# KiCad board Wrap030-ITX.kicad_pcb
title: Wrap030-ATX Mainboard; date: 2023-03-26; rev: 1; company: techav
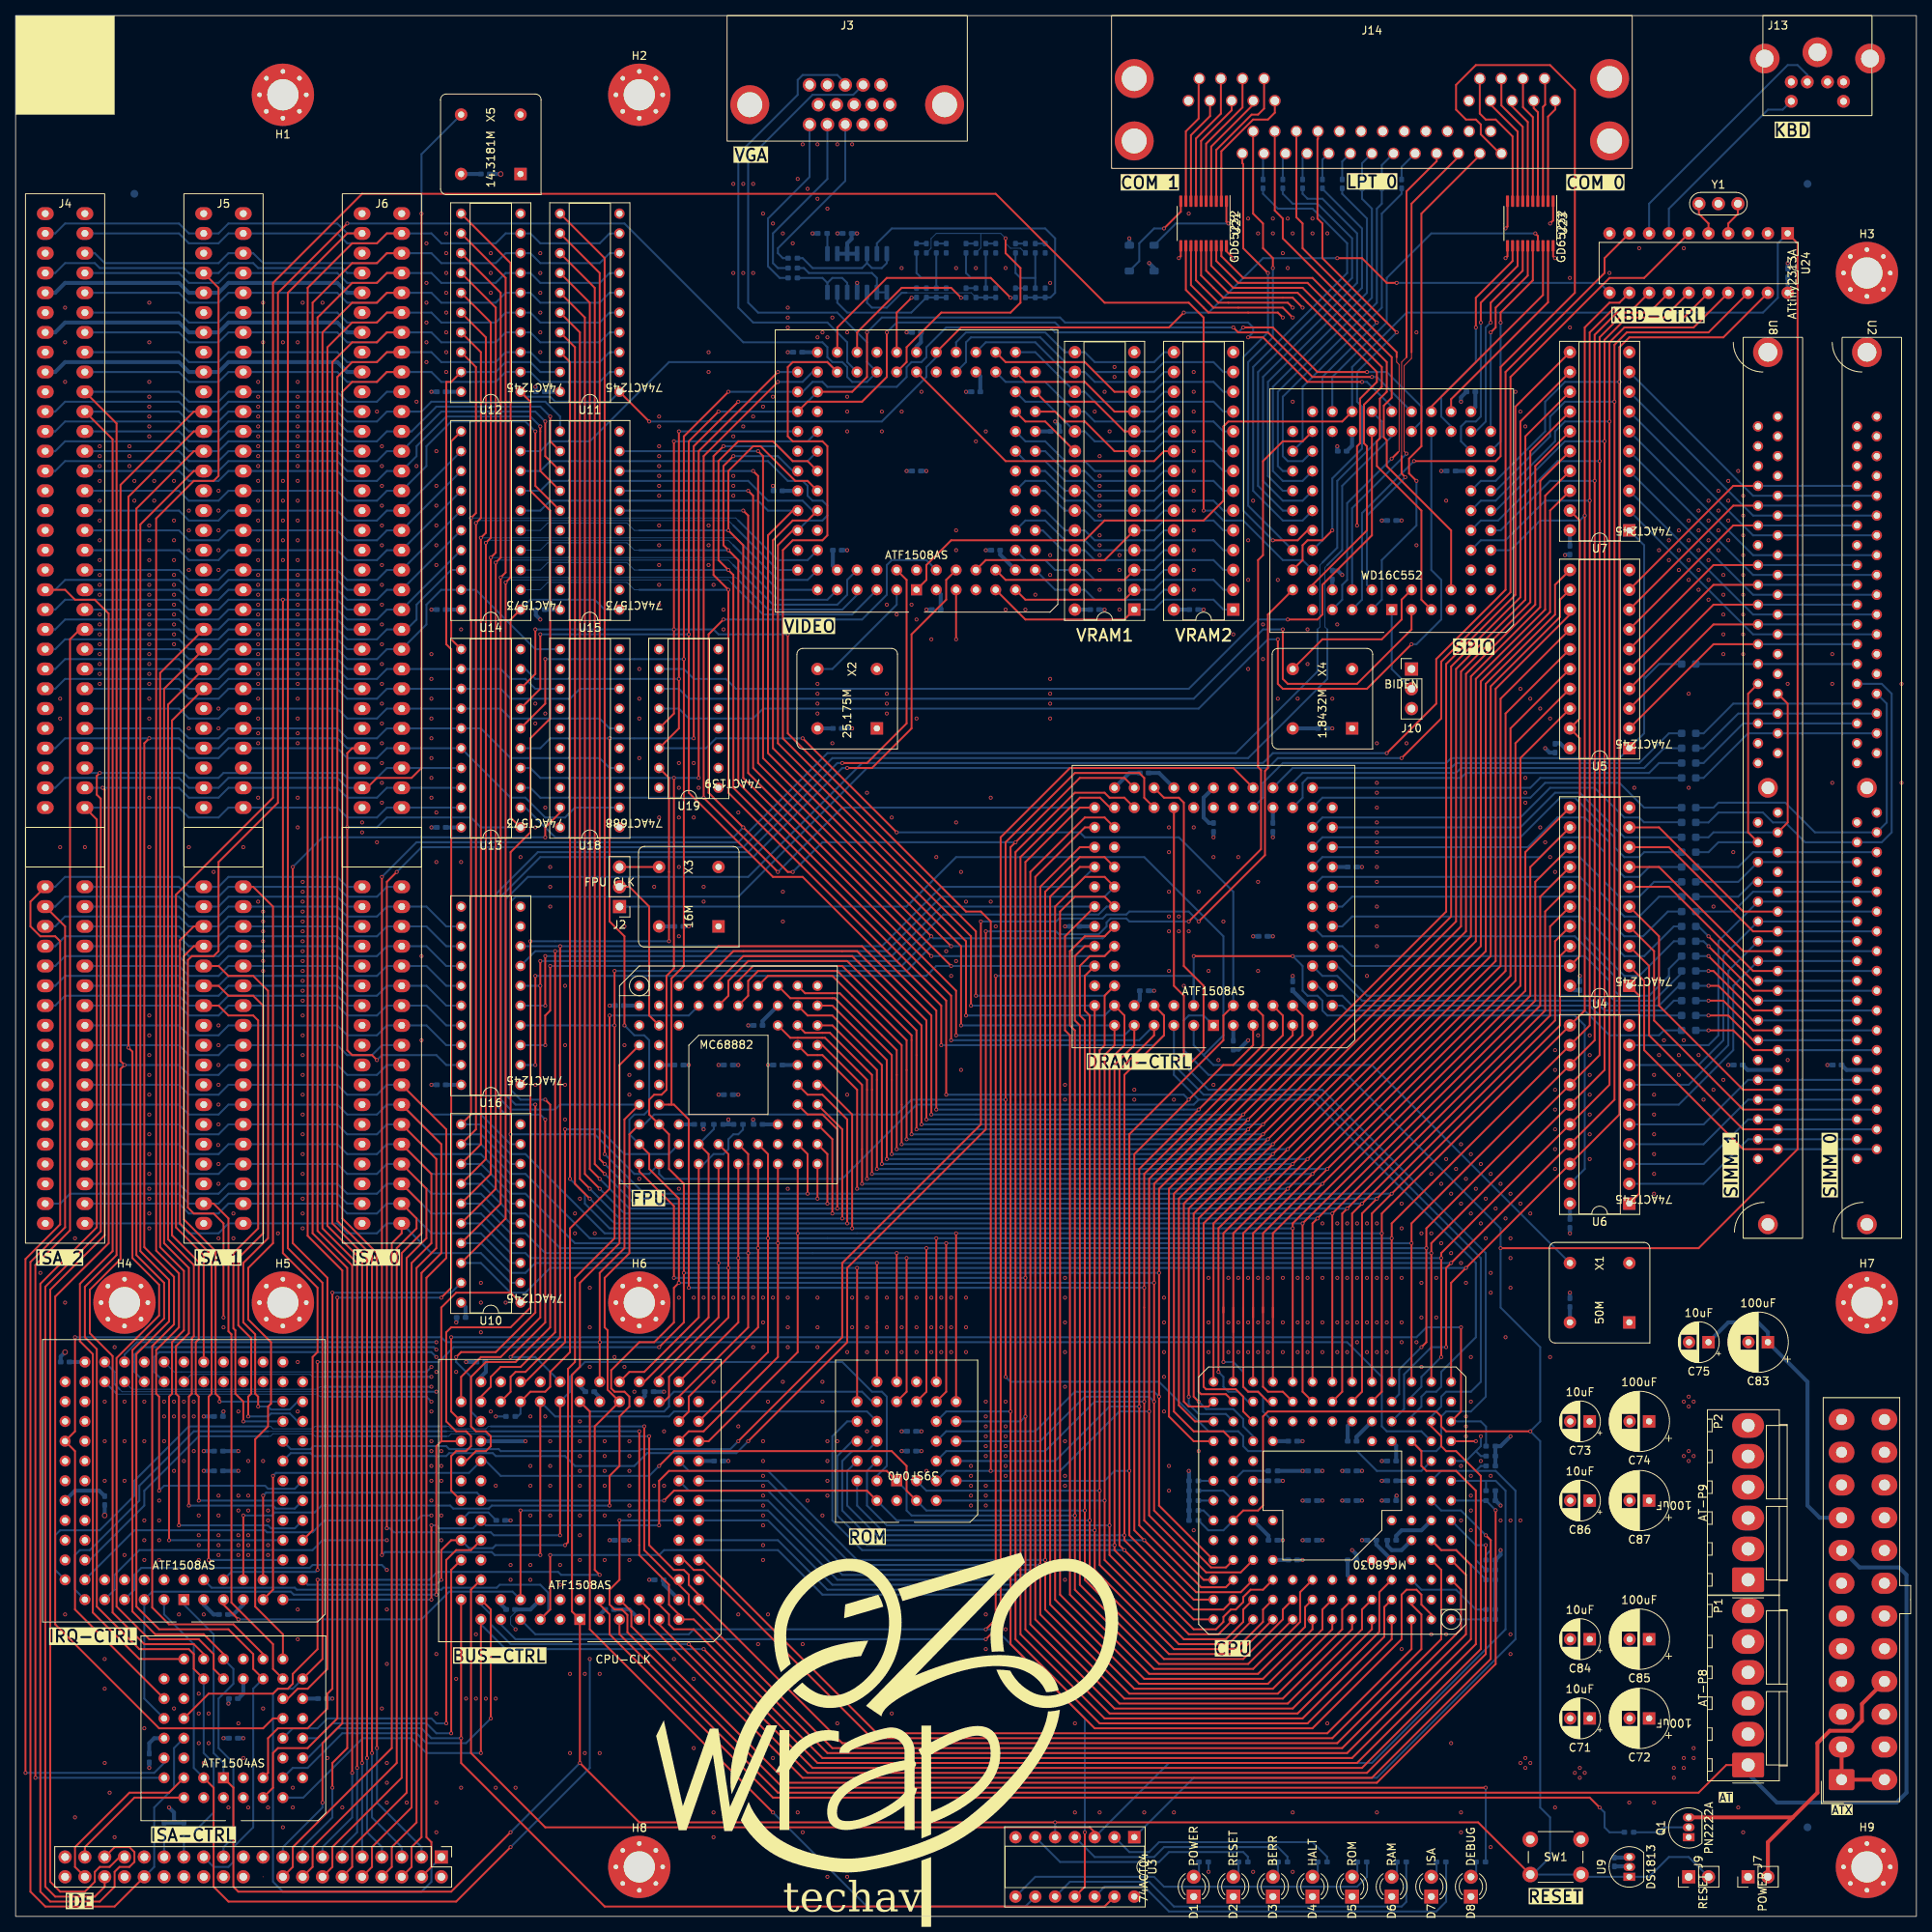
[diagram p0: board, top side]
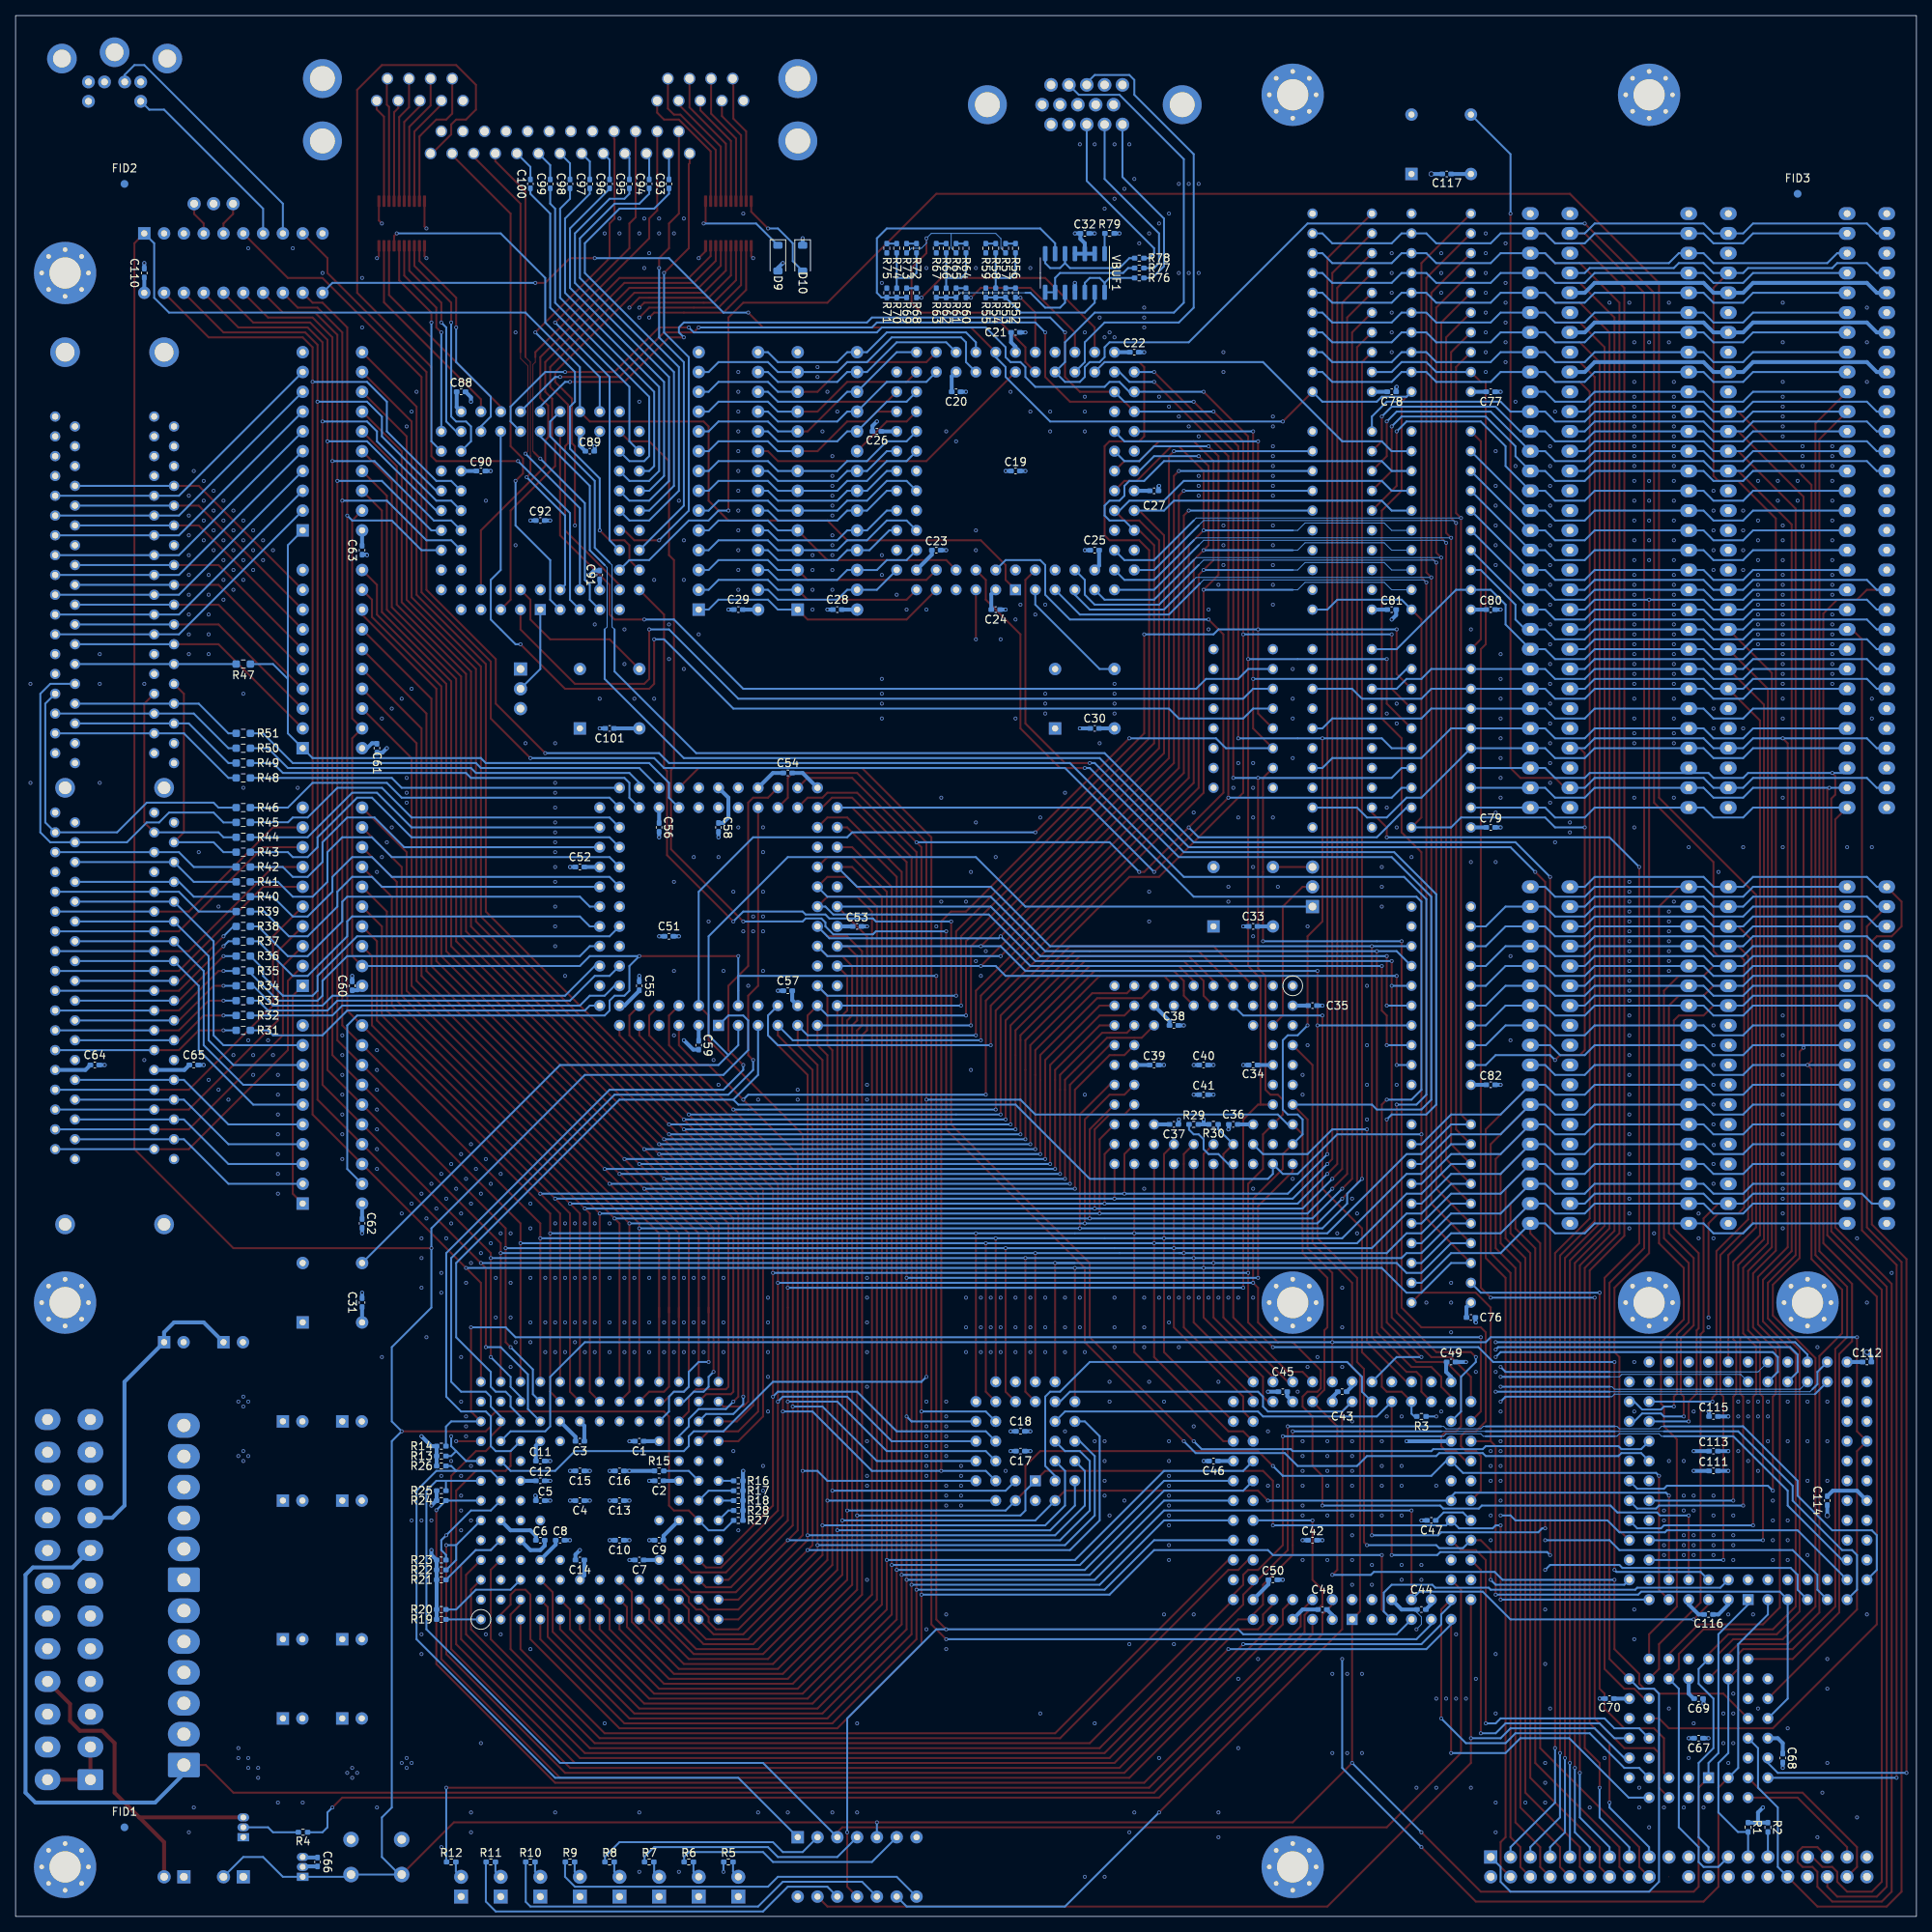
[diagram p1: board, bottom side, seen from below]

Outline 243.84 x 243.84 mm; copper layers: Top, In1.Cu, In2.Cu, Bottom. Coordinates in mm from the lower left corner of the outline.
Outline path: rectangle 0,243.84 243.84,0
Stack: Top 0.035mm / dielectric 0.1mm FR4 er 4.5 / In1.Cu 0.035mm / dielectric 1.24mm FR4 er 4.5 / In2.Cu 0.035mm / dielectric 0.1mm FR4 er 4.5 / Bottom 0.035mm

## Placement (name value [footprint] x y rotation side)
C1  100nF  [C_0402_1005Metric_Pad0.74x0.62mm_HandSolder]  163.83 60.96 0 bottom
C2  100nF  [C_0402_1005Metric_Pad0.74x0.62mm_HandSolder]  161.29 55.88 0 bottom
C3  100nF  [C_0402_1005Metric_Pad0.74x0.62mm_HandSolder]  171.45 60.96 0 bottom
C4  100nF  [C_0402_1005Metric_Pad0.74x0.62mm_HandSolder]  171.45 53.34 0 bottom
C5  100nF  [C_0402_1005Metric_Pad0.74x0.62mm_HandSolder]  176.53 53.34 180 bottom
C6  100nF  [C_0402_1005Metric_Pad0.74x0.62mm_HandSolder]  176.53 48.26 180 bottom
C7  100nF  [C_0402_1005Metric_Pad0.74x0.62mm_HandSolder]  163.83 45.72 0 bottom
C8  100nF  [C_0402_1005Metric_Pad0.74x0.62mm_HandSolder]  173.99 48.26 180 bottom
C9  100nF  [C_0402_1005Metric_Pad0.74x0.62mm_HandSolder]  161.29 48.26 0 bottom
C10  100nF  [C_0402_1005Metric_Pad0.74x0.62mm_HandSolder]  166.37 48.26 0 bottom
C11  100nF  [C_0402_1005Metric_Pad0.74x0.62mm_HandSolder]  176.53 58.42 180 bottom
C12  100nF  [C_0402_1005Metric_Pad0.74x0.62mm_HandSolder]  176.53 55.88 180 bottom
C13  1uF  [C_0402_1005Metric_Pad0.74x0.62mm_HandSolder]  166.37 53.34 0 bottom
C14  100nF  [C_0402_1005Metric_Pad0.74x0.62mm_HandSolder]  171.45 45.72 0 bottom
C15  1uF  [C_0402_1005Metric_Pad0.74x0.62mm_HandSolder]  171.45 57.15 0 bottom
C16  100nF  [C_0402_1005Metric_Pad0.74x0.62mm_HandSolder]  166.37 57.15 0 bottom
C17  100nF  [C_0402_1005Metric_Pad0.74x0.62mm_HandSolder]  114.94 59.69 0 bottom
C18  1uF  [C_0402_1005Metric_Pad0.74x0.62mm_HandSolder]  114.94 62.23 0 bottom
C19  1uF  [C_0402_1005Metric_Pad0.74x0.62mm_HandSolder]  115.57 185.42 180 bottom
C20  100nF  [C_0402_1005Metric_Pad0.74x0.62mm_HandSolder]  123.19 195.58 180 bottom
C21  100nF  [C_0402_1005Metric_Pad0.74x0.62mm_HandSolder]  115.57 203.2 180 bottom
C22  100nF  [C_0402_1005Metric_Pad0.74x0.62mm_HandSolder]  100.33 200.66 180 bottom
C23  100nF  [C_0402_1005Metric_Pad0.74x0.62mm_HandSolder]  125.73 175.26 180 bottom
C24  100nF  [C_0402_1005Metric_Pad0.74x0.62mm_HandSolder]  118.11 167.64 180 bottom
C25  100nF  [C_0402_1005Metric_Pad0.74x0.62mm_HandSolder]  105.41 175.26 0 bottom
C26  100nF  [C_0402_1005Metric_Pad0.74x0.62mm_HandSolder]  133.35 190.5 0 bottom
C27  100nF  [C_0402_1005Metric_Pad0.74x0.62mm_HandSolder]  97.79 182.88 180 bottom
C28  100nF  [C_0402_1005Metric_Pad0.74x0.62mm_HandSolder]  138.43 167.64 0 bottom
C29  100nF  [C_0402_1005Metric_Pad0.74x0.62mm_HandSolder]  151.13 167.64 0 bottom
C30  100nF  [C_0402_1005Metric_Pad0.74x0.62mm_HandSolder]  105.41 152.4 0 bottom
C31  100nF  [C_0402_1005Metric_Pad0.74x0.62mm_HandSolder]  199.39 78.74 90 bottom
C32  100nF  [C_0402_1005Metric_Pad0.74x0.62mm_HandSolder]  106.68 215.9 180 bottom
C33  100nF  [C_0402_1005Metric_Pad0.74x0.62mm_HandSolder]  85.09 127 0 bottom
C34  100nF  [C_0402_1005Metric_Pad0.74x0.62mm_HandSolder]  85.09 109.22 0 bottom
C35  100nF  [C_0402_1005Metric_Pad0.74x0.62mm_HandSolder]  77.47 116.84 180 bottom
C36  100nF  [C_0402_1005Metric_Pad0.74x0.62mm_HandSolder]  87.63 101.6 0 bottom
C37  100nF  [C_0402_1005Metric_Pad0.74x0.62mm_HandSolder]  95.25 101.6 180 bottom
C38  100nF  [C_0402_1005Metric_Pad0.74x0.62mm_HandSolder]  95.25 114.3 180 bottom
C39  100nF  [C_0402_1005Metric_Pad0.74x0.62mm_HandSolder]  97.79 109.22 180 bottom
C40  1uF  [C_0402_1005Metric_Pad0.74x0.62mm_HandSolder]  91.44 109.22 180 bottom
C41  1uF  [C_0402_1005Metric_Pad0.74x0.62mm_HandSolder]  91.44 105.41 180 bottom
C42  1uF  [C_0402_1005Metric_Pad0.74x0.62mm_HandSolder]  77.47 48.26 180 bottom
C43  100nF  [C_0402_1005Metric_Pad0.74x0.62mm_HandSolder]  73.66 67.31 0 bottom
C44  100nF  [C_0402_1005Metric_Pad0.74x0.62mm_HandSolder]  63.5 39.37 0 bottom
C45  100nF  [C_0402_1005Metric_Pad0.74x0.62mm_HandSolder]  81.28 67.31 0 bottom
C46  100nF  [C_0402_1005Metric_Pad0.74x0.62mm_HandSolder]  90.17 58.42 0 bottom
C47  100nF  [C_0402_1005Metric_Pad0.74x0.62mm_HandSolder]  62.23 50.8 0 bottom
C48  100nF  [C_0402_1005Metric_Pad0.74x0.62mm_HandSolder]  76.2 39.37 0 bottom
C49  100nF  [C_0402_1005Metric_Pad0.74x0.62mm_HandSolder]  59.69 71.12 180 bottom
C50  100nF  [C_0402_1005Metric_Pad0.74x0.62mm_HandSolder]  82.55 43.18 180 bottom
C51  1uF  [C_0402_1005Metric_Pad0.74x0.62mm_HandSolder]  160.02 125.73 0 bottom
C52  100nF  [C_0402_1005Metric_Pad0.74x0.62mm_HandSolder]  171.45 134.62 0 bottom
C53  100nF  [C_0402_1005Metric_Pad0.74x0.62mm_HandSolder]  135.89 127 180 bottom
C54  100nF  [C_0402_1005Metric_Pad0.74x0.62mm_HandSolder]  144.78 146.69 0 bottom
C55  100nF  [C_0402_1005Metric_Pad0.74x0.62mm_HandSolder]  163.83 119.38 90 bottom
C56  100nF  [C_0402_1005Metric_Pad0.74x0.62mm_HandSolder]  161.29 139.7 270 bottom
C57  100nF  [C_0402_1005Metric_Pad0.74x0.62mm_HandSolder]  144.78 118.75 0 bottom
C58  100nF  [C_0402_1005Metric_Pad0.74x0.62mm_HandSolder]  153.67 139.7 270 bottom
C59  100nF  [C_0402_1005Metric_Pad0.74x0.62mm_HandSolder]  156.21 111.76 270 bottom
C60  100nF  [C_0402_1005Metric_Pad0.74x0.62mm_HandSolder]  200.66 119.38 90 bottom
C61  100nF  [C_0402_1005Metric_Pad0.74x0.62mm_HandSolder]  197.48 149.86 270 bottom
C62  100nF  [C_0402_1005Metric_Pad0.74x0.62mm_HandSolder]  199.39 88.9 270 bottom
C63  100nF  [C_0402_1005Metric_Pad0.74x0.62mm_HandSolder]  199.39 175.26 270 bottom
C64  1uF  [C_0402_1005Metric_Pad0.74x0.62mm_HandSolder]  233.68 109.22 180 bottom
C65  1uF  [C_0402_1005Metric_Pad0.74x0.62mm_HandSolder]  220.98 109.22 180 bottom
C66  100nF  [C_0402_1005Metric_Pad0.74x0.62mm_HandSolder]  205.1 6.99 90 bottom
C67  1uF  [C_0402_1005Metric_Pad0.74x0.62mm_HandSolder]  27.94 22.86 180 bottom
C68  100nF  [C_0402_1005Metric_Pad0.74x0.62mm_HandSolder]  17.14 20.32 270 bottom
C69  100nF  [C_0402_1005Metric_Pad0.74x0.62mm_HandSolder]  27.94 27.94 180 bottom
C70  100nF  [C_0402_1005Metric_Pad0.74x0.62mm_HandSolder]  39.37 27.94 0 bottom
C71  10uF  [CP_Radial_D5.0mm_P2.50mm]  201.93 25.4 180 top
C72  100uF  [CP_Radial_D7.5mm_P2.50mm]  209.55 25.4 180 top
C73  10uF  [CP_Radial_D5.0mm_P2.50mm]  201.93 63.5 180 top
C74  100uF  [CP_Radial_D7.5mm_P2.50mm]  209.55 63.5 180 top
C75  10uF  [CP_Radial_D5.0mm_P2.50mm]  217.17 73.66 180 top
C76  100nF  [C_0402_1005Metric_Pad0.74x0.62mm_HandSolder]  57.15 76.84 180 bottom
C77  100nF  [C_0402_1005Metric_Pad0.74x0.62mm_HandSolder]  54.61 195.58 180 bottom
C78  100nF  [C_0402_1005Metric_Pad0.74x0.62mm_HandSolder]  67.31 195.58 180 bottom
C79  100nF  [C_0402_1005Metric_Pad0.74x0.62mm_HandSolder]  54.61 139.7 180 bottom
C80  100nF  [C_0402_1005Metric_Pad0.74x0.62mm_HandSolder]  54.61 167.64 180 bottom
C81  100nF  [C_0402_1005Metric_Pad0.74x0.62mm_HandSolder]  67.31 167.64 180 bottom
C82  100nF  [C_0402_1005Metric_Pad0.74x0.62mm_HandSolder]  54.61 106.68 180 bottom
C83  100uF  [CP_Radial_D7.5mm_P2.50mm]  224.79 73.66 180 top
C84  10uF  [CP_Radial_D5.0mm_P2.50mm]  201.93 35.56 180 top
C85  100uF  [CP_Radial_D7.5mm_P2.50mm]  209.55 35.56 180 top
C86  10uF  [CP_Radial_D5.0mm_P2.50mm]  201.93 53.34 180 top
C87  100uF  [CP_Radial_D7.5mm_P2.50mm]  209.55 53.34 180 top
C88  100nF  [C_0402_1005Metric_Pad0.74x0.62mm_HandSolder]  186.69 195.58 180 bottom
C89  100nF  [C_0402_1005Metric_Pad0.74x0.62mm_HandSolder]  170.18 187.96 180 bottom
C90  100nF  [C_0402_1005Metric_Pad0.74x0.62mm_HandSolder]  184.15 185.42 180 bottom
C91  100nF  [C_0402_1005Metric_Pad0.74x0.62mm_HandSolder]  168.91 172.09 90 bottom
C92  1uF  [C_0402_1005Metric_Pad0.74x0.62mm_HandSolder]  176.53 179.07 180 bottom
C93  2200pF  [C_0402_1005Metric_Pad0.74x0.62mm_HandSolder]  160.02 222.25 90 bottom
C94  2200pF  [C_0402_1005Metric_Pad0.74x0.62mm_HandSolder]  162.56 222.25 90 bottom
C95  2200pF  [C_0402_1005Metric_Pad0.74x0.62mm_HandSolder]  165.1 222.25 90 bottom
C96  2200pF  [C_0402_1005Metric_Pad0.74x0.62mm_HandSolder]  167.64 222.25 90 bottom
C97  2200pF  [C_0402_1005Metric_Pad0.74x0.62mm_HandSolder]  170.18 222.25 90 bottom
C98  2200pF  [C_0402_1005Metric_Pad0.74x0.62mm_HandSolder]  172.72 222.25 90 bottom
C99  2200pF  [C_0402_1005Metric_Pad0.74x0.62mm_HandSolder]  175.26 222.25 90 bottom
C100  2200pF  [C_0402_1005Metric_Pad0.74x0.62mm_HandSolder]  177.8 222.25 90 bottom
C101  100nF  [C_0402_1005Metric_Pad0.74x0.62mm_HandSolder]  167.64 152.4 0 bottom
C110  100nF  [C_0402_1005Metric_Pad0.74x0.62mm_HandSolder]  227.33 210.82 90 bottom
C111  1uF  [C_0402_1005Metric_Pad0.74x0.62mm_HandSolder]  26.03 57.15 180 bottom
C112  100nF  [C_0402_1005Metric_Pad0.74x0.62mm_HandSolder]  6.35 71.12 180 bottom
C113  100nF  [C_0402_1005Metric_Pad0.74x0.62mm_HandSolder]  26.03 59.69 180 bottom
C114  100nF  [C_0402_1005Metric_Pad0.74x0.62mm_HandSolder]  11.43 53.34 270 bottom
C115  100nF  [C_0402_1005Metric_Pad0.74x0.62mm_HandSolder]  26.03 64.14 180 bottom
C116  100nF  [C_0402_1005Metric_Pad0.74x0.62mm_HandSolder]  26.67 38.74 0 bottom
C117  100nF  [C_0402_1005Metric_Pad0.74x0.62mm_HandSolder]  60.26 223.52 0 bottom
CPU1  MC68030  [PGA128]  168.91 53.34 180 top
D1  LED  [LED_D3.0mm]  151.13 2.54 90 top
D2  LED  [LED_D3.0mm]  156.21 2.54 90 top
D3  LED  [LED_D3.0mm]  161.29 2.54 90 top
D4  LED  [LED_D3.0mm]  166.37 2.54 90 top
D5  LED  [LED_D3.0mm]  171.45 2.54 90 top
D6  LED  [LED_D3.0mm]  176.53 2.54 90 top
D7  LED  [LED_D3.0mm]  181.61 2.54 90 top
D8  LED  [LED_D3.0mm]  186.69 2.54 90 top
D9  1N4148W  [D_SOD-123]  146.05 212.73 270 bottom
D10  1N4148W  [D_SOD-123]  142.88 212.73 270 bottom
FID1  Fiducial  [Fiducial_1mm_Mask2mm]  229.87 11.43 180 bottom
FID2  Fiducial  [Fiducial_1mm_Mask2mm]  229.87 222.25 180 bottom
FID3  Fiducial  [Fiducial_1mm_Mask2mm]  15.24 220.98 180 bottom
GLUE1  ATF1508AS  [PLCC-84_THT-Socket]  72.39 38.1 180 top
H1  4mm  [MountingHole_4mm_Pad_Via]  34.29 233.68 0 top
H2  4mm  [MountingHole_4mm_Pad_Via]  80.01 233.68 0 top
H3  4mm  [MountingHole_4mm_Pad_Via]  237.49 210.82 0 top
H4  4mm  [MountingHole_4mm_Pad_Via]  13.97 78.74 0 top
H5  4mm  [MountingHole_4mm_Pad_Via]  34.29 78.74 0 top
H6  4mm  [MountingHole_4mm_Pad_Via]  80.01 78.74 0 top
H7  4mm  [MountingHole_4mm_Pad_Via]  237.49 78.74 0 top
H8  4mm  [MountingHole_4mm_Pad_Via]  80.01 6.35 0 top
H9  4mm  [MountingHole_4mm_Pad_Via]  237.49 6.35 0 top
IDE0  Conn_02x20_Odd_Even  [PinHeader_2x20_P2.54mm_Vertical]  54.61 7.62 270 top
J2  FPU CLK  [PinHeader_1x03_P2.54mm_Vertical]  77.47 129.54 180 top
J3  DE15_Receptacle_HighDensity_MountingHoles  [DE15-HD]  106.68 243.84 0 top
J4  Bus_ISA_16bit  [ISA16]  3.81 218.44 0 top
J5  Bus_ISA_16bit  [ISA16]  24.13 218.44 0 top
J6  Bus_ISA_16bit  [ISA16]  44.45 218.44 0 top
J7  POWER  [PinHeader_1x02_P2.54mm_Vertical]  222.25 5.08 90 top
J8  ATX-24  [Molex_Mini-Fit_Jr_5566-24A_2x12_P4.20mm_Vertical]  234.24 17.54 90 top
J9  RESET  [PinHeader_1x02_P2.54mm_Vertical]  214.63 5.08 90 top
J10  BIDEN  [PinHeader_1x03_P2.54mm_Vertical]  179.07 160.02 0 top
J13  mDIN-6  [MiniDIN6]  231.14 243.84 0 top
J14  -  [L17H26R0121]  173.99 243.84 0 top
P1  AT-P8  [Molex_KK-396_A-41791-0006_1x06_P3.96mm_Vertical]  222.25 19.42 90 top
P2  AT-P9  [Molex_KK-396_A-41791-0006_1x06_P3.96mm_Vertical]  222.25 43.18 90 top
Q1  PN2222A  [TO-92L_Inline]  214.63 10.16 90 top
R1  10k  [R_0402_1005Metric_Pad0.72x0.64mm_HandSolder]  21.59 11.43 270 bottom
R2  10k  [R_0402_1005Metric_Pad0.72x0.64mm_HandSolder]  19.05 11.43 270 bottom
R3  10k  [R_0402_1005Metric_Pad0.72x0.64mm_HandSolder]  63.5 64.14 180 bottom
R4  220R  [R_0402_1005Metric_Pad0.72x0.64mm_HandSolder]  206.97 10.8 0 bottom
R5  220R  [R_0402_1005Metric_Pad0.72x0.64mm_HandSolder]  152.4 6.99 180 bottom
R6  220R  [R_0402_1005Metric_Pad0.72x0.64mm_HandSolder]  157.48 6.99 180 bottom
R7  220R  [R_0402_1005Metric_Pad0.72x0.64mm_HandSolder]  162.56 6.99 180 bottom
R8  220R  [R_0402_1005Metric_Pad0.72x0.64mm_HandSolder]  167.64 6.99 180 bottom
R9  220R  [R_0402_1005Metric_Pad0.72x0.64mm_HandSolder]  172.72 6.99 180 bottom
R10  220R  [R_0402_1005Metric_Pad0.72x0.64mm_HandSolder]  177.8 6.99 180 bottom
R11  220R  [R_0402_1005Metric_Pad0.72x0.64mm_HandSolder]  182.88 6.99 180 bottom
R12  220R  [R_0402_1005Metric_Pad0.72x0.64mm_HandSolder]  187.96 6.99 180 bottom
R13  1k  [R_0402_1005Metric_Pad0.72x0.64mm_HandSolder]  189.23 59.06 0 bottom
R14  1k  [R_0402_1005Metric_Pad0.72x0.64mm_HandSolder]  189.23 60.33 0 bottom
R15  1k  [R_0402_1005Metric_Pad0.72x0.64mm_HandSolder]  161.29 57.15 0 bottom
R16  1k  [R_0402_1005Metric_Pad0.72x0.64mm_HandSolder]  151.13 55.88 180 bottom
R17  1k  [R_0402_1005Metric_Pad0.72x0.64mm_HandSolder]  151.13 54.61 180 bottom
R18  1k  [R_0402_1005Metric_Pad0.72x0.64mm_HandSolder]  151.13 53.34 180 bottom
R19  1k  [R_0402_1005Metric_Pad0.72x0.64mm_HandSolder]  189.23 38.1 0 bottom
R20  1k  [R_0402_1005Metric_Pad0.72x0.64mm_HandSolder]  189.23 39.37 0 bottom
R21  1k  [R_0402_1005Metric_Pad0.72x0.64mm_HandSolder]  189.23 43.18 0 bottom
R22  1k  [R_0402_1005Metric_Pad0.72x0.64mm_HandSolder]  189.23 44.45 0 bottom
R23  1k  [R_0402_1005Metric_Pad0.72x0.64mm_HandSolder]  189.23 45.72 0 bottom
R24  1k  [R_0402_1005Metric_Pad0.72x0.64mm_HandSolder]  189.23 53.34 0 bottom
R25  1k  [R_0402_1005Metric_Pad0.72x0.64mm_HandSolder]  189.23 54.61 0 bottom
R26  1k  [R_0402_1005Metric_Pad0.72x0.64mm_HandSolder]  189.23 57.78 0 bottom
R27  1k  [R_0402_1005Metric_Pad0.72x0.64mm_HandSolder]  151.13 50.8 180 bottom
R28  1k  [R_0402_1005Metric_Pad0.72x0.64mm_HandSolder]  151.13 52.07 180 bottom
R29  1k  [R_0402_1005Metric_Pad0.72x0.64mm_HandSolder]  92.71 101.6 180 bottom
R30  1k  [R_0402_1005Metric_Pad0.72x0.64mm_HandSolder]  90.17 101.6 0 bottom
R31  33R  [R_0603_1608Metric_Pad0.98x0.95mm_HandSolder]  214.63 113.67 0 bottom
R32  33R  [R_0603_1608Metric_Pad0.98x0.95mm_HandSolder]  214.63 115.57 0 bottom
R33  33R  [R_0603_1608Metric_Pad0.98x0.95mm_HandSolder]  214.63 117.47 0 bottom
R34  33R  [R_0603_1608Metric_Pad0.98x0.95mm_HandSolder]  214.63 119.38 0 bottom
R35  33R  [R_0603_1608Metric_Pad0.98x0.95mm_HandSolder]  214.63 121.28 0 bottom
R36  33R  [R_0603_1608Metric_Pad0.98x0.95mm_HandSolder]  214.63 123.19 0 bottom
R37  33R  [R_0603_1608Metric_Pad0.98x0.95mm_HandSolder]  214.63 125.09 0 bottom
R38  33R  [R_0603_1608Metric_Pad0.98x0.95mm_HandSolder]  214.63 127 0 bottom
R39  33R  [R_0603_1608Metric_Pad0.98x0.95mm_HandSolder]  214.63 128.91 0 bottom
R40  33R  [R_0603_1608Metric_Pad0.98x0.95mm_HandSolder]  214.63 130.81 0 bottom
R41  33R  [R_0603_1608Metric_Pad0.98x0.95mm_HandSolder]  214.63 132.72 0 bottom
R42  33R  [R_0603_1608Metric_Pad0.98x0.95mm_HandSolder]  214.63 134.62 0 bottom
R43  33R  [R_0603_1608Metric_Pad0.98x0.95mm_HandSolder]  214.63 136.53 0 bottom
R44  33R  [R_0603_1608Metric_Pad0.98x0.95mm_HandSolder]  214.63 138.43 0 bottom
R45  33R  [R_0603_1608Metric_Pad0.98x0.95mm_HandSolder]  214.63 140.34 0 bottom
R46  33R  [R_0603_1608Metric_Pad0.98x0.95mm_HandSolder]  214.63 142.24 0 bottom
R47  33R  [R_0603_1608Metric_Pad0.98x0.95mm_HandSolder]  214.63 160.66 0 bottom
R48  33R  [R_0603_1608Metric_Pad0.98x0.95mm_HandSolder]  214.63 146.05 0 bottom
R49  33R  [R_0603_1608Metric_Pad0.98x0.95mm_HandSolder]  214.63 147.96 0 bottom
R50  33R  [R_0603_1608Metric_Pad0.98x0.95mm_HandSolder]  214.63 149.86 0 bottom
R51  33R  [R_0603_1608Metric_Pad0.98x0.95mm_HandSolder]  214.63 151.76 0 bottom
R52  1k  [R_0402_1005Metric_Pad0.72x0.64mm_HandSolder]  115.57 208.28 90 bottom
R53  1k  [R_0402_1005Metric_Pad0.72x0.64mm_HandSolder]  116.84 208.28 90 bottom
R54  1k  [R_0402_1005Metric_Pad0.72x0.64mm_HandSolder]  118.11 208.28 90 bottom
R55  1k  [R_0402_1005Metric_Pad0.72x0.64mm_HandSolder]  119.38 208.28 90 bottom
R56  1k  [R_0402_1005Metric_Pad0.72x0.64mm_HandSolder]  115.57 214 270 bottom
R57  1k  [R_0402_1005Metric_Pad0.72x0.64mm_HandSolder]  116.84 214 270 bottom
R58  1k  [R_0402_1005Metric_Pad0.72x0.64mm_HandSolder]  118.11 214 270 bottom
R59  1k  [R_0402_1005Metric_Pad0.72x0.64mm_HandSolder]  119.38 214 270 bottom
R60  1k  [R_0402_1005Metric_Pad0.72x0.64mm_HandSolder]  121.92 208.28 90 bottom
R61  1k  [R_0402_1005Metric_Pad0.72x0.64mm_HandSolder]  123.19 208.28 90 bottom
R62  1k  [R_0402_1005Metric_Pad0.72x0.64mm_HandSolder]  124.46 208.28 90 bottom
R63  1k  [R_0402_1005Metric_Pad0.72x0.64mm_HandSolder]  125.73 208.28 90 bottom
R64  1k  [R_0402_1005Metric_Pad0.72x0.64mm_HandSolder]  121.92 214 270 bottom
R65  1k  [R_0402_1005Metric_Pad0.72x0.64mm_HandSolder]  123.19 214 270 bottom
R66  1k  [R_0402_1005Metric_Pad0.72x0.64mm_HandSolder]  124.46 214 270 bottom
R67  1k  [R_0402_1005Metric_Pad0.72x0.64mm_HandSolder]  125.73 214 270 bottom
R68  1k  [R_0402_1005Metric_Pad0.72x0.64mm_HandSolder]  128.27 208.28 90 bottom
R69  1k  [R_0402_1005Metric_Pad0.72x0.64mm_HandSolder]  129.54 208.28 90 bottom
R70  1k  [R_0402_1005Metric_Pad0.72x0.64mm_HandSolder]  130.81 208.28 90 bottom
R71  1k  [R_0402_1005Metric_Pad0.72x0.64mm_HandSolder]  132.08 208.28 90 bottom
R72  1k  [R_0402_1005Metric_Pad0.72x0.64mm_HandSolder]  128.27 214 270 bottom
R73  1k  [R_0402_1005Metric_Pad0.72x0.64mm_HandSolder]  129.54 214 270 bottom
R74  1k  [R_0402_1005Metric_Pad0.72x0.64mm_HandSolder]  130.81 214 270 bottom
R75  1k  [R_0402_1005Metric_Pad0.72x0.64mm_HandSolder]  132.08 214 270 bottom
R76  75R  [R_0402_1005Metric_Pad0.72x0.64mm_HandSolder]  99.69 210.19 180 bottom
R77  75R  [R_0402_1005Metric_Pad0.72x0.64mm_HandSolder]  99.69 211.46 180 bottom
R78  75R  [R_0402_1005Metric_Pad0.72x0.64mm_HandSolder]  99.69 212.73 180 bottom
R79  75R  [R_0402_1005Metric_Pad0.72x0.64mm_HandSolder]  103.5 215.9 180 bottom
RAMC1  ATF1508AS  [PLCC-84_THT-Socket]  153.67 114.3 180 top
ROM1  39SF040  [PLCC-32_THT-Socket]  113.03 55.88 180 top
SW1  SW_Push  [SW_PUSH_6mm]  200.81 5.37 180 top
U1  MC68882  [PGA68]  91.44 107.95 0 top
U2  TE-822021-4  [SIMM72]  237.49 144.78 270 top
U3  74ACT04  [DIP-14_W7.62mm_Socket]  143.51 10.16 270 top
U4  74ACT245  [DIP-20_W7.62mm_Socket]  207.01 119.38 180 top
U5  74ACT245  [DIP-20_W7.62mm_Socket]  207.01 149.86 180 top
U6  74ACT245  [DIP-20_W7.62mm_Socket]  207.01 91.44 180 top
U7  74ACT245  [DIP-20_W7.62mm_Socket]  207.01 177.8 180 top
U8  TE-822021-4  [SIMM72]  224.79 144.78 270 top
U9  DS1813  [TO-92_Inline]  207.01 5.08 90 top